# Altium PCB FlatSat.PcbDoc (part 6 of 12)
Units mil, origin at the board's own origin, x right, y up, seen from the top; angles counter-clockwise.
Board outline 4682 x 22047 mil, 4 copper layers (Top Layer, STR GND 1, STR GND 2, Bottom Layer), stack 33.434 mil thick; 381 components, 345 nets, 1605 pads, 1915 vias.
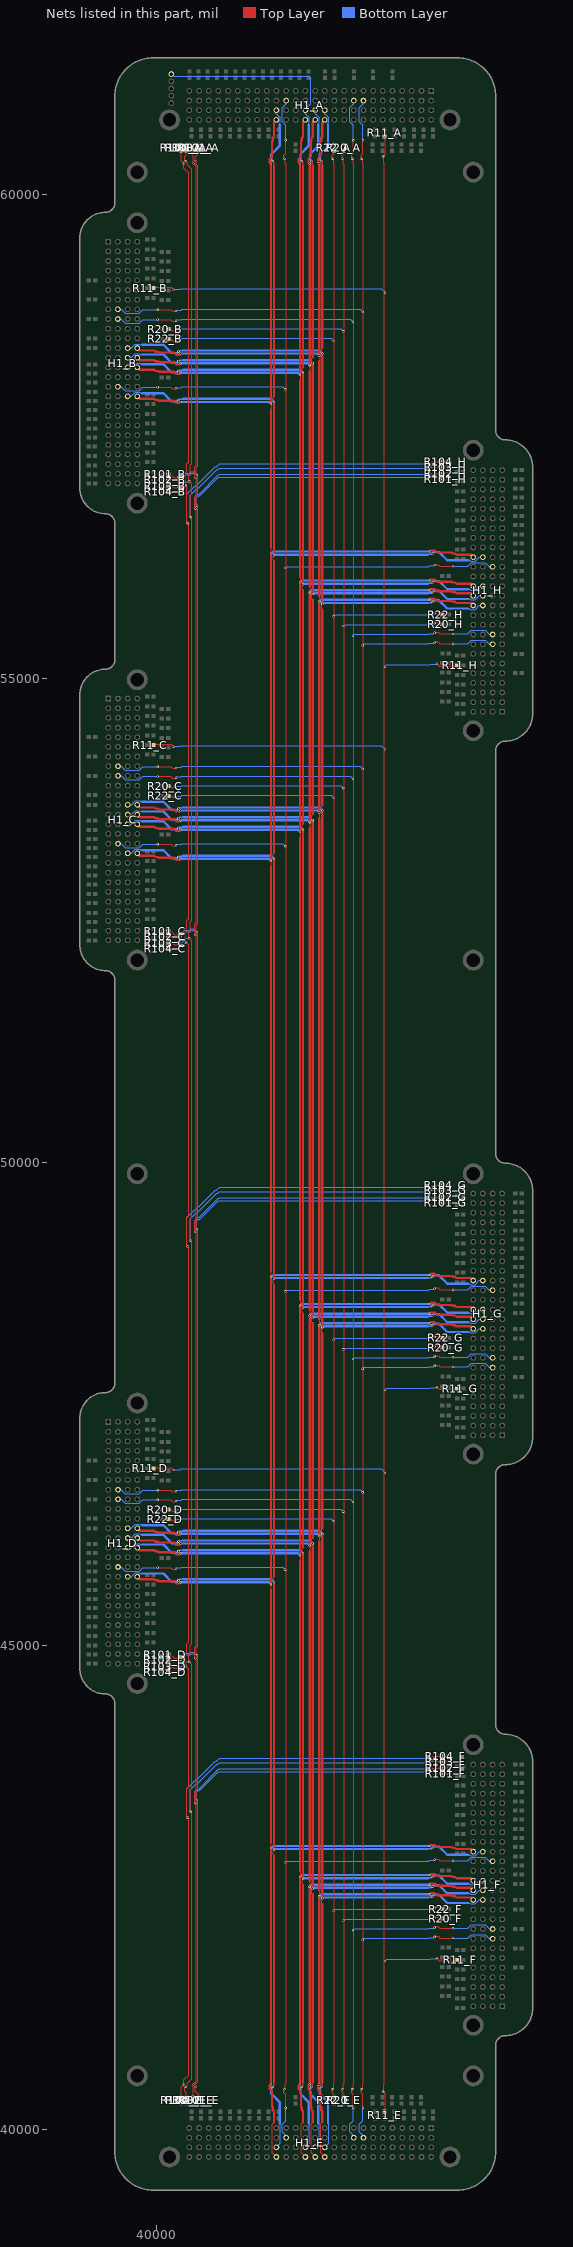
[diagram p8: the nets of this part, all layers, seen from the top]

## Components (designator, comment, footprint, x,y, rotation, side; value= is the part's Value field where it differs from the comment) (continued)
R103_F "CRCW06030000Z0EA" RESC1609X55X30ML10T20 42986,43801.33 r0 top (schematic designator R103)
R103_G "CRCW06030000Z0EA" RESC1609X55X30ML10T20 42986,49706.33 r0 top (schematic designator R103)
R103_H "CRCW06030000Z0EA" RESC1609X55X30ML10T20 42986,57186.33 r0 top (schematic designator R103)
R104_A "CRCW06030000Z0EA" RESC1609X55X30ML10T20 40251.67,60489 r270 top (schematic designator R104)
R104_B "CRCW06030000Z0EA" RESC1609X55X30ML10T20 40085,56931.67 r0 top (schematic designator R104)
R104_C "CRCW06030000Z0EA" RESC1609X55X30ML10T20 40085,52206.67 r0 top (schematic designator R104)
R104_D "CRCW06030000Z0EA" RESC1609X55X30ML10T20 40085,44726.67 r0 top (schematic designator R104)
R104_E "CRCW06030000Z0EA" RESC1609X55X30ML10T20 40251.67,40298 r90 top (schematic designator R104)
R104_F "CRCW06030000Z0EA" RESC1609X55X30ML10T20 42986,43856.33 r180 top (schematic designator R104)
R104_G "CRCW06030000Z0EA" RESC1609X55X30ML10T20 42986,49761.33 r180 top (schematic designator R104)
R104_H "CRCW06030000Z0EA" RESC1609X55X30ML10T20 42986,57241.33 r180 top (schematic designator R104)

## Footprints (in the part's own frame and the unit in brackets; to place one, negate y for a bottom-side part, rotate by r counter-clockwise, add the part's x,y. Pads: shape width x height; smd on the part's side, far side on the other; paste and mask are expansions set on the pad)
EPS [mm] "3rd gen 1U EPS from clydespace"
  round 5.5 hole 3.5: 0(9.017,90.805) 0(82.677,90.805)
  rect 1.5x1.5 hole 0.9: 1(13.97,83.185)
  round 1.5 hole 0.9: 2(13.97,85.725) 3(16.51,83.185) 4(16.51,85.725) 5(19.05,83.185) 6(19.05,85.725) 7(21.59,83.185) 8(21.59,85.725) 9(24.13,83.185) 10(24.13,85.725) 11(26.67,83.185) 12(26.67,85.725) 13(29.21,83.185) 14(29.21,85.725) 15(31.75,83.185) 16(31.75,85.725) 17(34.29,83.185) 18(34.29,85.725) 19(36.83,83.185) 20(36.83,85.725) 21(39.37,83.185) 22(39.37,85.725) 23(41.91,83.185) 24(41.91,85.725) 25(44.45,83.185) 26(44.45,85.725) 27(46.99,83.185) 28(46.99,85.725) 29(49.53,83.185) 30(49.53,85.725) 31(52.07,83.185) 32(52.07,85.725) 33(54.61,83.185) 34(54.61,85.725) 35(57.15,83.185) 36(57.15,85.725) 37(59.69,83.185) 38(59.69,85.725) 39(62.23,83.185) 40(62.23,85.725) 41(64.77,83.185) 42(64.77,85.725) 43(67.31,83.185) 44(67.31,85.725) 45(69.85,83.185) 46(69.85,85.725) 47(72.39,83.185) 48(72.39,85.725) 49(74.93,83.185) 50(74.93,85.725) 51(77.47,83.185) 52(77.47,85.725) 53(13.97,88.265) 54(13.97,90.805) 55(16.51,88.265) 56(16.51,90.805) 57(19.05,88.265) 58(19.05,90.805) 59(21.59,88.265) 60(21.59,90.805) 61(24.13,88.265) 62(24.13,90.805) 63(26.67,88.265) 64(26.67,90.805) 65(29.21,88.265) 66(29.21,90.805) 67(31.75,88.265) 68(31.75,90.805) 69(34.29,88.265) 70(34.29,90.805) 71(36.83,88.265) 72(36.83,90.805) 73(39.37,88.265) 74(39.37,90.805) 75(41.91,88.265) 76(41.91,90.805) 77(44.45,88.265) 78(44.45,90.805) 79(46.99,88.265) 80(46.99,90.805) 81(49.53,88.265) 82(49.53,90.805) 83(52.07,88.265) 84(52.07,90.805) 85(54.61,88.265) 86(54.61,90.805) 87(57.15,88.265) 88(57.15,90.805) 89(59.69,88.265) 90(59.69,90.805) 91(62.23,88.265) 92(62.23,90.805) 93(64.77,88.265) 94(64.77,90.805) 95(67.31,88.265) 96(67.31,90.805) 97(69.85,88.265) 98(69.85,90.805) 99(72.39,88.265) 100(72.39,90.805) 101(74.93,88.265) 102(74.93,90.805) 103(77.47,88.265) 104(77.47,90.805)
  silkscreen extent 12.37,81.91 79.07,92.08, body extent 12.47,82.02 79.02,91.92, height 11.05
RESC1609X55X30ML10T20 [mm] "Chip Resistor, 2-Leads, Body 1.60x0.85mm, IPC Low Density"
  rect 1.15x1.05 smd: 1(-0.825,0) 2(0.825,0)
  body extent -0.85,-0.48 0.85,0.48, height 0.55

## Part data
J40_A J40_B J40_C J40_D J40_F J40_G J40_H J42_A J42_B J42_C J42_D J42_F J42_G J42_H J44_A J44_B J44_C J44_D J44_F J44_G J44_H J45_A J45_B J45_C J45_D J45_F J45_G J45_H J46_A J46_B J46_C J46_D J46_F J46_G J46_H J48_A J48_B J48_C J48_D J48_F J48_G J48_H J50_A J50_B J50_C J50_D J50_F J50_G J50_H J52_A J52_B J52_C J52_D J52_F J52_G J52_H J61_A J61_B J61_C J61_D J61_F J61_G J61_H J66_A J66_B J66_C J66_D J66_F J66_G J66_H J69_A J69_B J69_C J69_D J69_F J69_G J69_H J71_A J71_B J71_C J71_D J71_F J71_G J71_H J74_A J74_B J74_C J74_D J74_F J74_G J74_H J81_A J81_B J81_C J81_D J81_F J81_G J81_H J82_A J82_B J82_C J82_D J82_F J82_G J82_H J83_A J83_B J83_C J83_D J83_F J83_G J83_H J84_A J84_B J84_C J84_D J84_F J84_G J84_H J99_A J99_B J99_C J99_D J99_F J99_G J99_H J100_A J100_B J100_C J100_D J100_F J100_G J100_H R1_A R1_B R1_C R1_D R1_E R1_F R1_G R1_H R3_A R3_B R3_C R3_D R3_E R3_F R3_G R3_H R4_A R4_B R4_C R4_D R4_E R4_F R4_G R4_H R5_A R5_B R5_C R5_D R5_E R5_F R5_G R5_H R6_A R6_B R6_C R6_D R6_E R6_F R6_G R6_H R7_A R7_B R7_C R7_D R7_E R7_F R7_G R7_H R8_A R8_B R8_C R8_D R8_E R8_F R8_G R8_H R9_A R9_B R9_C R9_D R9_E R9_F R9_G R9_H R10_A R10_B R10_C R10_D R10_E R10_F R10_G R10_H R11_A R11_B R11_C R11_D R11_E R11_F R11_G R11_H R12_A R12_B R12_C R12_D R12_E R12_F R12_G R12_H R13_A R13_B R13_C R13_D R13_E R13_F R13_G R13_H R14_A R14_B R14_C R14_D R14_E R14_F R14_G R14_H R20_A R20_B R20_C R20_D R20_E R20_F R20_G R20_H R22_A R22_B R22_C R22_D R22_E R22_F R22_G R22_H R30_A R30_B R30_C R30_D R30_E R30_F R30_G R30_H R33_A R33_B R33_C R33_D R33_E R33_F R33_G R33_H R35_A R35_B R35_C R35_D R35_E R35_F R35_G R35_H R37_A R37_B R37_C R37_D R37_E R37_F R37_G R37_H R39_A R39_B R39_C R39_D R39_E R39_F R39_G R39_H R41_A R41_B R41_C R41_D R41_E R41_F R41_G R41_H R43_A R43_B R43_C R43_D R43_E R43_F R43_G R43_H R45_A R45_B R45_C R45_D R45_E R45_F R45_G R45_H R47_A R47_B R47_C R47_D R47_E R47_F R47_G R47_H R49_A R49_B R49_C R49_D R49_E R49_F R49_G R49_H R51_A R51_B R51_C R51_D R51_E R51_F R51_G R51_H R101_A R101_B R101_C R101_D R101_E R101_F R101_G R101_H R102_A R102_B R102_C R102_D R102_E R102_F R102_G R102_H R103_A R103_B R103_C R103_D R103_E R103_F R103_G R103_H R104_A R104_B R104_C R104_D R104_E R104_F R104_G R104_H: library part CMP-2000-03816-1

## Free pads (board coordinates)
  round 216.54 hole 137.8: 7(39798,40551) 7(39798,49880) 7(39798,60236) 7(43272,40551) 7(43272,60236) 7(43273,52088)
  round 59 hole 35.43: 8(40150,61025) 9(40150,61100) 10(40150,61175) 11(40150,60950) 12(40150,61250)

## Via types
v1: diameter 24, hole 8, Top Layer to Bottom Layer, 1915 vias

## Nets (pads, with @x,y where several pads share a name; then routed paths per layer and width w, separated by ;. In a path a pad name is that pad's centre, name@x,y a point inside that pad or via, vN(x,y) a via of type N, cw(c..) or ccw(c..) an arc to the next point about the centre after c; other vN are vias at no path point)
2SMARDSENS_A: H1_A.16 H1_B.16 H1_C.16 H1_D.16 H1_E.16 H1_F.16 H1_G.16 H1_H.16 | length 33119.6
  Top Layer w8: v1(40009,46607) 40146,46607 40163,46590 40193,46590 v1(40198,46595) ; v1(40009,54087) 40146,54087 40163,54070 40193,54070 v1(40198,54075) ; v1(40009,58812) 40146,58812 40163,58795 40193,58795 v1(40198,58800) ; v1(42132,40222) 42132,40359 42115,40376 42115,40406 v1(42120,40411) 42129,40420 42129,40465.41 42136,40472.41 42136,60314.59 42129,60321.59 42129,60367 v1(42120,60376) 42115,60381 42115,60411 42132,60428 v1(42132,60565) ; v1(42873,41988) 42878,41993 42908,41993 42925,41976 v1(43062,41976) ; v1(42873,47893) 42878,47898 42908,47898 42925,47881 v1(43062,47881) ; v1(42873,55373) 42878,55378 42908,55378 42925,55361 v1(43062,55361)
  Bottom Layer w8: H1_D.16@39598,46612 39631,46612 39672.47,46570.53 39818.53,46570.53 39855,46607 v1(40009,46607) ; H1_C.16@39598,54092 39631,54092 39672.47,54050.53 39818.53,54050.53 39855,54087 v1(40009,54087) ; H1_B.16@39598,58817 39631,58817 39673,58775 39818,58775 39855,58812 v1(40009,58812) ; v1(40198,46595) 40207,46604 40252.41,46604 40259.41,46611 42102,46611 v1(42128,46585) ; v1(40198,54075) 40207,54084 40252.41,54084 40259.41,54091 42102,54091 v1(42128,54065) ; v1(40198,58800) 40207,58809 40252.41,58809 40259.41,58816 42102,58816 v1(42128,58790) ; v1(42129,41959) 42142,41972 42811.59,41972 42818.59,41979 42864,41979 v1(42873,41988) ; v1(42129,47864) 42142,47877 42811.59,47877 42818.59,47884 42864,47884 v1(42873,47893) ; v1(42129,55344) 42142,55357 42811.59,55357 42818.59,55364 42864,55364 v1(42873,55373) ; v1(42132,40222) 42132,40089 42095.47,40052.47 42095.47,39972.53 42137,39931 H1_E.16@42137,39912 ; v1(42132,60565) 42132,60719 42095,60756 42095,60901 42137,60943 H1_A.16@42137,60976 ; v1(43062,41976) 43216,41976 43252.47,42012.47 43398.53,42012.47 43440,41971 H1_F.16@43473,41971 ; v1(43062,47881) 43216,47881 43252.47,47917.47 43398.53,47917.47 43440,47876 H1_G.16@43473,47876 ; v1(43062,55361) 43216,55361 43252.47,55397.47 43398.53,55397.47 43440,55356 H1_H.16@43473,55356
2SMARDSENS_B: H1_A.18 H1_B.18 H1_C.18 H1_D.18 H1_E.18 H1_F.18 H1_G.18 H1_H.18 | length 33080.2
  Top Layer w8: v1(40009,46507) 40146,46507 40163,46490 v1@40193,46490 ; v1(40009,53987) 40146,53987 40163,53970 v1@40193,53970 ; v1(40009,58712) 40146,58712 40163,58695 v1@40193,58695 ; v1(42032,40222) 42032,40359 42015,40376 42015,40406 v1(42020,40411) 42029,40420 42029,40465.41 42036,40472.41 42036,60314.59 42029,60321.59 42029,60367 v1(42020,60376) 42015,60381 42015,60411 42032,60428 v1(42032,60565) ; v1@42878,42093 42908,42093 42925,42076 v1(43062,42076) ; v1@42878,47998 42908,47998 42925,47981 v1(43062,47981) ; v1@42878,55478 42908,55478 42925,55461 v1(43062,55461)
  Bottom Layer w8: H1_D.18@39598,46512 39631,46512 39672.47,46470.53 39818.53,46470.53 39855,46507 v1(40009,46507) ; H1_C.18@39598,53992 39631,53992 39672.47,53950.53 39818.53,53950.53 39855,53987 v1(40009,53987) ; H1_B.18@39598,58717 39631,58717 39673,58675 39818,58675 39855,58712 v1(40009,58712) ; v1(40198,46495) 40207,46504 40252.41,46504 40259.41,46511 42002,46511 v1(42028,46485) ; v1(40198,53975) 40207,53984 40252.41,53984 40259.41,53991 42002,53991 v1(42028,53965) ; v1(40198,58700) 40207,58709 40252.41,58709 40259.41,58716 42002,58716 v1(42028,58690) ; v1@42028,42059 42041,42072 42811.59,42072 42818.59,42079 42864,42079 v1(42873,42088) ; v1@42028,47964 42041,47977 42811.59,47977 42818.59,47984 42864,47984 v1(42873,47993) ; v1@42028,55444 42041,55457 42811.59,55457 42818.59,55464 42864,55464 v1(42873,55473) ; v1(42032,40222) 42032,40089 41995.47,40052.47 41995.47,39972.53 42037,39931 H1_E.18@42037,39912 ; v1(42032,60565) 42032,60719 41995,60756 41995,60901 42037,60943 H1_A.18@42037,60976 ; v1(43062,42076) 43216,42076 43252.47,42112.47 43398.53,42112.47 43440,42071 H1_F.18@43473,42071 ; v1(43062,47981) 43216,47981 43252.47,48017.47 43398.53,48017.47 43440,47976 H1_G.18@43473,47976 ; v1(43062,55461) 43216,55461 43252.47,55497.47 43398.53,55497.47 43440,55456 H1_H.18@43473,55456
  other v1: 42028,42058 42028,47963 42028,55443
3V3_BUS_1: H1_A.79 H1_B.79 H1_C.79 H1_D.79 H1_E.79 H1_F.79 H1_G.79 H1_H.79 pad.12 | length 34504.9
  Top Layer w8: 41512,42528 41504,42536 41504,42580 v1(41512,42588) ; v1(41512,45955) 41504,45963 41504,46007 41512,46015 ; 41512,48433 41504,48441 41504,48485 v1(41512,48493) ; v1(41512,53435) 41504,53443 41504,53487 41512,53495 ; 41512,55913 41504,55921 41504,55965 v1(41512,55973) ; v1(41512,58160) 41504,58168 41504,58212 41512,58220
  Top Layer w16: v1(41500,40436) 41509,40445 41509,40475 41512,40478 41512,40483 ; v1(41500,60351) 41509,60342 41509,60312 41512,60309 41512,60304
  Top Layer w24: 41512,40483 41512,42528 ; v1(41512,42588) v1(41512,45955) ; 41512,46015 41512,48433 ; v1(41512,48493) v1(41512,53435) ; 41512,53495 41512,55913 ; v1(41512,55973) v1(41512,58160) ; 41512,58220 41512,60304
  Bottom Layer w8: H1_D.79@39698,46012 39735,46012 39777.53,46054.53 39823.47,46054.53 39833,46045 39848,46045 ; H1_C.79@39698,53492 39735,53492 39777.53,53534.53 39823.47,53534.53 39833,53525 39848,53525 ; H1_B.79@39698,58217 39735,58217 39776.53,58258.53 39824.47,58258.53 39833,58250 39848,58250 ; pad.12@40150,61250 40175,61225 41575,61225 41593,61207 41593,60943 41537,60887 H1_A.79@41537,60876 41537,60839 41578.53,60797.47 41578.53,60749.53 41570,60741 41570,60726 ; H1_E.79@41537,39812 41578.53,39853.53 41578.53,40052.47 41570,40061 ; 43223,42538 43238,42538 43247.53,42528.47 43293.47,42528.47 43336,42571 H1_F.79@43373,42571 ; 43223,48443 43238,48443 43247.53,48433.47 43293.47,48433.47 43336,48476 H1_G.79@43373,48476 ; 43223,55923 43238,55923 43247.53,55913.47 43293.47,55913.47 43336,55956 H1_H.79@43373,55956
  Bottom Layer w16: v1(40223,45975) 40232,45984 40262,45984 ; v1(40223,53455) 40232,53464 40262,53464 ; v1(40223,58180) 40232,58189 40262,58189 ; 40265,45987 40270,45987 ; 40265,53467 40270,53467 ; 40265,58192 40270,58192 ; 42801,42596 42806,42596 ; 42801,48501 42806,48501 ; 42801,55981 42806,55981 ; 42809,42599 42839,42599 v1(42848,42608) ; 42809,48504 42839,48504 v1(42848,48513) ; 42809,55984 42839,55984 v1(42848,55993)
  Bottom Layer w22: 40208,45960 v1(40223,45975) ; 40208,53440 v1(40223,53455) ; 40208,58165 v1(40223,58180) ; 41485,40421 v1(41500,40436) ; 41485,60366 v1(41500,60351) ; v1(42848,42608) 42863,42623 ; v1(42848,48513) 42863,48528 ; v1(42848,55993) 42863,56008
  Bottom Layer w24: 39848,46045 40068,46045 40153,45960 40208,45960 ; 39848,53525 40068,53525 40153,53440 40208,53440 ; 39848,58250 40068,58250 40153,58165 40208,58165 ; 40270,45987 41480,45987 v1@41511,45956 ; 40270,53467 41480,53467 v1@41511,53436 ; 40270,58192 41480,58192 v1@41511,58161 ; 41485,40421 41485,40366 41570,40281 41570,40061 ; 41485,60366 41485,60421 41570,60506 41570,60726 ; v1(41512,42588) 41520,42596 42801,42596 ; v1(41512,48493) 41520,48501 42801,48501 ; v1(41512,55973) 41520,55981 42801,55981 ; 42863,42623 42918,42623 43003,42538 43223,42538 ; 42863,48528 42918,48528 43003,48443 43223,48443 ; 42863,56008 42918,56008 43003,55923 43223,55923
3V3_BUS_2: H1_A.80 H1_B.80 H1_C.80 H1_D.80 H1_E.80 H1_F.80 H1_G.80 H1_H.80 | length 31852.9
  Top Layer w8: 41480,58080 41488,58088 41488,58132 v1(41480,58140) ; 41512,40069 41495.47,40052.47 41495.47,39753.53 H1_E.80@41537,39712
  Top Layer w12: v1(41480,42608) 41486,42614 41486,42662 41480,42668 ; 41480,45875 41486,45881 41486,45929 v1(41480,45935) ; v1(41480,48513) 41486,48519 41486,48567 41480,48573 ; 41480,53355 41486,53361 41486,53409 v1(41480,53415) ; v1(41480,55993) 41486,55999 41486,56047 41480,56053
  Top Layer w22: 40177,45966 40200,45943 40236.25,45943 v1@40248.13,45954.87 ; 40177,53446 40200,53423 40236.25,53423 v1@40248.13,53434.87 ; 40177,58171 40200,58148 40236.25,58148 v1@40248.13,58159.87 ; v1@41479.87,40461.13 41468,40449.25 41468,40413 41491,40390 ; v1@41479.87,60325.87 41468,60337.75 41468,60374 41491,60397 ; v1@42822.87,42628.13 42834.75,42640 42871,42640 42894,42617 ; v1@42822.87,48533.13 42834.75,48545 42871,48545 42894,48522 ; v1@42822.87,56013.13 42834.75,56025 42871,56025 42894,56002
  Top Layer w24: H1_D.80@39798,46012 39823,45987 39972,45987 39984,45975 40012.6,45975 40021.6,45966 40177,45966 ; H1_C.80@39798,53492 39823,53467 39972,53467 39984,53455 40012.6,53455 40021.6,53446 40177,53446 ; H1_B.80@39798,58217 39823,58192 39972,58192 39984,58180 40012.6,58180 40021.6,58171 40177,58171 ; v1(41480,40461) v1(41480,42608) ; 41480,42668 41480,45875 ; v1(41480,45935) v1(41480,48513) ; 41480,48573 41480,53355 ; v1(41480,53415) v1(41480,55993) ; 41480,56053 41480,58080 ; v1(41480,58140) v1(41480,60326) ; 41491,40390 41491,40234.6 41500,40225.6 41500,40197 41512,40185 41512,40069 ; 41491,60397 41491,60552.4 41500,60561.4 41500,60590 41512,60602 41512,60751 H1_A.80@41537,60776 ; 42894,42617 43049.4,42617 43058.4,42608 43087,42608 43099,42596 43248,42596 H1_F.80@43273,42571 ; 42894,48522 43049.4,48522 43058.4,48513 43087,48513 43099,48501 43248,48501 H1_G.80@43273,48476 ; 42894,56002 43049.4,56002 43058.4,55993 43087,55993 43099,55981 43248,55981 H1_H.80@43273,55956
  Bottom Layer w24: v1(40248,45955) 41460,45955 v1(41480,45935) ; v1(40248,53435) 41460,53435 v1(41480,53415) ; v1(40248,58160) 41460,58160 v1(41480,58140) ; v1(41480,42608) 41500,42628 v1(42823,42628) ; v1(41480,48513) 41500,48533 v1(42823,48533) ; v1(41480,55993) 41500,56013 v1(42823,56013)
5V_BUS_1: H1_A.77 H1_B.77 H1_C.77 H1_D.77 H1_E.77 H1_F.77 H1_G.77 H1_H.77 | length 32694.2
  Top Layer w8: 41612,42428 41604,42436 41604,42480 v1(41612,42488) ; v1(41612,46055) 41604,46063 41604,46107 41612,46115 ; 41612,48333 41604,48341 41604,48385 v1(41612,48393) ; v1(41612,53535) 41604,53543 41604,53587 41612,53595 ; 41612,55813 41604,55821 41604,55865 v1(41612,55873) ; v1(41612,58260) 41604,58268 41604,58312 41612,58320
  Top Layer w16: v1(41600,40436) 41609,40445 41609,40475 41612,40478 41612,40483 ; v1(41600,60351) 41609,60342 41609,60312 41612,60309 41612,60304
  Top Layer w24: 41612,40483 41612,42428 ; v1(41612,42488) v1(41612,46055) ; 41612,46115 41612,48333 ; v1(41612,48393) v1(41612,53535) ; 41612,53595 41612,55813 ; v1(41612,55873) v1(41612,58260) ; 41612,58320 41612,60304
  Bottom Layer w8: H1_D.77@39698,46112 39735,46112 39777.53,46154.53 39823.47,46154.53 39833,46145 39848,46145 ; H1_C.77@39698,53592 39735,53592 39777.53,53634.53 39823.47,53634.53 39833,53625 39848,53625 ; H1_B.77@39698,58317 39735,58317 39776.53,58358.53 39824.47,58358.53 39833,58350 39848,58350 ; H1_E.77@41637,39812 41678.53,39853.53 41678.53,40052.47 41670,40061 ; H1_A.77@41637,60876 41637,60839 41678.53,60797.47 41678.53,60749.53 41670,60741 41670,60726 ; 43223,42438 43238,42438 43247.53,42428.47 43293.47,42428.47 43336,42471 H1_F.77@43373,42471 ; 43223,48343 43238,48343 43247.53,48333.47 43293.47,48333.47 43336,48376 H1_G.77@43373,48376 ; 43223,55823 43238,55823 43247.53,55813.47 43293.47,55813.47 43336,55856 H1_H.77@43373,55856
  Bottom Layer w16: v1(40223,46075) 40232,46084 40262,46084 ; v1(40223,53555) 40232,53564 40262,53564 ; v1(40223,58280) 40232,58289 40262,58289 ; 40265,46087 40270,46087 ; 40265,53567 40270,53567 ; 40265,58292 40270,58292 ; 42801,42496 42806,42496 ; 42801,48401 42806,48401 ; 42801,55881 42806,55881 ; 42809,42499 42839,42499 v1(42848,42508) ; 42809,48404 42839,48404 v1(42848,48413) ; 42809,55884 42839,55884 v1(42848,55893)
  Bottom Layer w22: 40208,46060 v1(40223,46075) ; 40208,53540 v1(40223,53555) ; 40208,58265 v1(40223,58280) ; 41585,40421 v1(41600,40436) ; 41585,60366 v1(41600,60351) ; v1(42848,42508) 42863,42523 ; v1(42848,48413) 42863,48428 ; v1(42848,55893) 42863,55908
  Bottom Layer w24: 39848,46145 40068,46145 40153,46060 40208,46060 ; 39848,53625 40068,53625 40153,53540 40208,53540 ; 39848,58350 40068,58350 40153,58265 40208,58265 ; 40270,46087 41580,46087 v1(41612,46055) ; 40270,53567 41580,53567 v1(41612,53535) ; 40270,58292 41580,58292 v1(41612,58260) ; 41585,40421 41585,40366 41670,40281 41670,40061 ; 41585,60366 41585,60421 41670,60506 41670,60726 ; v1(41612,42488) 41620,42496 42801,42496 ; v1(41612,48393) 41620,48401 42801,48401 ; v1(41612,55873) 41620,55881 42801,55881 ; 42863,42523 42918,42523 43003,42438 43223,42438 ; 42863,48428 42918,48428 43003,48343 43223,48343 ; 42863,55908 42918,55908 43003,55823 43223,55823
5V_BUS_2: H1_A.78 H1_B.78 H1_C.78 H1_D.78 H1_E.78 H1_F.78 H1_G.78 H1_H.78 | length 31852.9
  Top Layer w8: 41580,58180 41588,58188 41588,58232 v1(41580,58240) ; 41612,40069 41595.47,40052.47 41595.47,39753.53 H1_E.78@41637,39712
  Top Layer w12: v1(41580,42508) 41586,42514 41586,42562 41580,42568 ; 41580,45975 41586,45981 41586,46029 v1(41580,46035) ; v1(41580,48413) 41586,48419 41586,48467 41580,48473 ; 41580,53455 41586,53461 41586,53509 v1(41580,53515) ; v1(41580,55893) 41586,55899 41586,55947 41580,55953
  Top Layer w22: 40177,46066 40200,46043 40236.25,46043 v1@40248.13,46054.87 ; 40177,53546 40200,53523 40236.25,53523 v1@40248.13,53534.87 ; 40177,58271 40200,58248 40236.25,58248 v1@40248.13,58259.87 ; v1@41579.87,40461.13 41568,40449.25 41568,40413 41591,40390 ; v1@41579.87,60325.87 41568,60337.75 41568,60374 41591,60397 ; v1@42822.87,42528.13 42834.75,42540 42871,42540 42894,42517 ; v1@42822.87,48433.13 42834.75,48445 42871,48445 42894,48422 ; v1@42822.87,55913.13 42834.75,55925 42871,55925 42894,55902
  Top Layer w24: H1_D.78@39798,46112 39823,46087 39972,46087 39984,46075 40012.6,46075 40021.6,46066 40177,46066 ; H1_C.78@39798,53592 39823,53567 39972,53567 39984,53555 40012.6,53555 40021.6,53546 40177,53546 ; H1_B.78@39798,58317 39823,58292 39972,58292 39984,58280 40012.6,58280 40021.6,58271 40177,58271 ; v1(41580,40461) v1(41580,42508) ; 41580,42568 41580,45975 ; v1(41580,46035) v1(41580,48413) ; 41580,48473 41580,53455 ; v1(41580,53515) v1(41580,55893) ; 41580,55953 41580,58180 ; v1(41580,58240) v1(41580,60326) ; 41591,40390 41591,40234.6 41600,40225.6 41600,40197 41612,40185 41612,40069 ; 41591,60397 41591,60552.4 41600,60561.4 41600,60590 41612,60602 41612,60751 H1_A.78@41637,60776 ; 42894,42517 43049.4,42517 43058.4,42508 43087,42508 43099,42496 43248,42496 H1_F.78@43273,42471 ; 42894,48422 43049.4,48422 43058.4,48413 43087,48413 43099,48401 43248,48401 H1_G.78@43273,48376 ; 42894,55902 43049.4,55902 43058.4,55893 43087,55893 43099,55881 43248,55881 H1_H.78@43273,55856
  Bottom Layer w24: v1(40248,46055) 41560,46055 v1(41580,46035) ; v1(40248,53535) 41560,53535 v1(41580,53515) ; v1(40248,58260) 41560,58260 v1(41580,58240) ; v1(41580,42508) 41600,42528 v1(42823,42528) ; v1(41580,48413) 41600,48433 v1(42823,48433) ; v1(41580,55893) 41600,55913 v1(42823,55913)
5V_USB_CHG: H1_A.32 H1_B.32 H1_C.32 H1_D.32 H1_E.32 H1_F.32 H1_G.32 H1_H.32 | length 33123.8
  Top Layer w8: v1(40009,45807) 40146,45807 40163,45790 40193,45790 v1(40198,45795) ; v1(40009,53287) 40146,53287 40163,53270 40193,53270 v1(40198,53275) ; v1(40009,58012) 40146,58012 40163,57995 40193,57995 v1(40198,58000) ; v1(41332,40222) 41332,40359 41315,40376 41315,40406 v1(41320,40411) 41329,40420 41329,40465.41 41336,40472.41 41336,60314.59 41329,60321.59 41329,60367 v1(41320,60376) 41315,60381 41315,60411 41332,60428 v1(41332,60565) ; v1(42873,42788) 42878,42793 42908,42793 42925,42776 v1(43062,42776) ; v1(42873,48693) 42878,48698 42908,48698 42925,48681 v1(43062,48681) ; v1(42873,56173) 42878,56178 42908,56178 42925,56161 v1(43062,56161)
  Bottom Layer w8: H1_D.32@39598,45812 39631,45812 39672.47,45770.53 39818.53,45770.53 39855,45807 v1(40009,45807) ; H1_C.32@39598,53292 39631,53292 39672.47,53250.53 39818.53,53250.53 39855,53287 v1(40009,53287) ; H1_B.32@39598,58017 39631,58017 39673,57975 39818,57975 39855,58012 v1(40009,58012) ; v1(40198,45795) 40207,45804 40252.41,45804 40259.41,45811 41302,45811 v1(41328,45785) ; v1(40198,53275) 40207,53284 40252.41,53284 40259.41,53291 41302,53291 v1(41328,53265) ; v1(40198,58000) 40207,58009 40252.41,58009 40259.41,58016 41302,58016 v1(41328,57990) ; v1(41328,42758) 41342,42772 42811.59,42772 42818.59,42779 42864,42779 v1(42873,42788) ; v1(41328,48663) 41342,48677 42811.59,48677 42818.59,48684 42864,48684 v1(42873,48693) ; v1(41328,56143) 41342,56157 42811.59,56157 42818.59,56164 42864,56164 v1(42873,56173) ; v1(41332,40222) 41332,40089 41295.47,40052.47 41295.47,39972.53 41337,39931 H1_E.32@41337,39912 ; v1(41332,60565) 41332,60719 41295,60756 41295,60901 41337,60943 H1_A.32@41337,60976 ; v1(43062,42776) 43216,42776 43252.47,42812.47 43398.53,42812.47 43440,42771 H1_F.32@43473,42771 ; v1(43062,48681) 43216,48681 43252.47,48717.47 43398.53,48717.47 43440,48676 H1_G.32@43473,48676 ; v1(43062,56161) 43216,56161 43252.47,56197.47 43398.53,56197.47 43440,56156 H1_H.32@43473,56156
12V_BUS_1: H1_A.75 H1_B.75 H1_C.75 H1_D.75 H1_E.75 H1_F.75 H1_G.75 H1_H.75 | length 32694.2
  Top Layer w8: 41712,42328 41704,42336 41704,42380 v1(41712,42388) ; v1(41712,46155) 41704,46163 41704,46207 41712,46215 ; 41712,48233 41704,48241 41704,48285 v1(41712,48293) ; v1(41712,53635) 41704,53643 41704,53687 41712,53695 ; 41712,55713 41704,55721 41704,55765 v1(41712,55773) ; v1(41712,58360) 41704,58368 41704,58412 41712,58420
  Top Layer w16: v1(41700,40436) 41709,40445 41709,40475 41712,40478 41712,40486 ; v1(41700,60351) 41709,60342 41709,60312 41712,60309 41712,60304
  Top Layer w24: 41712,40486 41712,42328 ; v1(41712,42388) v1(41712,46155) ; 41712,46215 41712,48233 ; v1(41712,48293) v1(41712,53635) ; 41712,53695 41712,55713 ; v1(41712,55773) v1(41712,58360) ; 41712,58420 41712,60304
  Bottom Layer w8: H1_D.75@39698,46212 39735,46212 39777.53,46254.53 39823.47,46254.53 39833,46245 39848,46245 ; H1_C.75@39698,53692 39735,53692 39777.53,53734.53 39823.47,53734.53 39833,53725 39848,53725 ; H1_B.75@39698,58417 39735,58417 39776.53,58458.53 39824.47,58458.53 39833,58450 39848,58450 ; H1_E.75@41737,39812 41778.53,39853.53 41778.53,40052.47 41770,40061 ; H1_A.75@41737,60876 41737,60839 41778.53,60797.47 41778.53,60749.53 41770,60741 41770,60726 ; 43223,42338 43238,42338 43247.53,42328.47 43293.47,42328.47 43336,42371 H1_F.75@43373,42371 ; 43223,48243 43238,48243 43247.53,48233.47 43293.47,48233.47 43336,48276 H1_G.75@43373,48276 ; 43223,55723 43238,55723 43247.53,55713.47 43293.47,55713.47 43336,55756 H1_H.75@43373,55756
  Bottom Layer w16: v1(40223,46175) 40232,46184 40262,46184 ; v1(40223,53655) 40232,53664 40262,53664 ; v1(40223,58380) 40232,58389 40262,58389 ; 40265,46187 40270,46187 ; 40265,53667 40270,53667 ; 40265,58392 40270,58392 ; 42801,42396 42806,42396 ; 42801,48301 42806,48301 ; 42801,55781 42806,55781 ; 42809,42399 42839,42399 v1(42848,42408) ; 42809,48304 42839,48304 v1(42848,48313) ; 42809,55784 42839,55784 v1(42848,55793)
  Bottom Layer w22: 40208,46160 v1(40223,46175) ; 40208,53640 v1(40223,53655) ; 40208,58365 v1(40223,58380) ; 41685,40421 v1(41700,40436) ; 41685,60366 v1(41700,60351) ; v1(42848,42408) 42863,42423 ; v1(42848,48313) 42863,48328 ; v1(42848,55793) 42863,55808
  Bottom Layer w24: 39848,46245 40068,46245 40153,46160 40208,46160 ; 39848,53725 40068,53725 40153,53640 40208,53640 ; 39848,58450 40068,58450 40153,58365 40208,58365 ; 40270,46187 41680,46187 v1(41712,46155) ; 40270,53667 41680,53667 v1(41712,53635) ; 40270,58392 41680,58392 v1(41712,58360) ; 41685,40421 41685,40366 41770,40281 41770,40061 ; 41685,60366 41685,60421 41770,60506 41770,60726 ; v1(41712,42388) 41720,42396 42801,42396 ; v1(41712,48293) 41720,48301 42801,48301 ; v1(41712,55773) 41720,55781 42801,55781 ; 42863,42423 42918,42423 43003,42338 43223,42338 ; 42863,48328 42918,48328 43003,48243 43223,48243 ; 42863,55808 42918,55808 43003,55723 43223,55723
12V_BUS_2: H1_A.76 H1_B.76 H1_C.76 H1_D.76 H1_E.76 H1_F.76 H1_G.76 H1_H.76 | length 31851.9
  Top Layer w8: 41680,58280 41688,58288 41688,58332 v1(41680,58340) ; 41712,40069 41695.47,40052.47 41695.47,39753.53 H1_E.76@41737,39712
  Top Layer w12: v1@41680,42407 41686,42413 41686,42462 41680,42468 ; 41680,46075 41686,46081 41686,46129 v1(41680,46135) ; v1@41680,48312 41686,48318 41686,48367 41680,48373 ; 41680,53555 41686,53561 41686,53609 v1(41680,53615) ; v1@41680,55792 41686,55798 41686,55847 41680,55853
  Top Layer w22: 40177,46166 40200,46143 40236.25,46143 v1@40248.13,46154.87 ; 40177,53646 40200,53623 40236.25,53623 v1@40248.13,53634.87 ; 40177,58371 40200,58348 40236.25,58348 v1@40248.13,58359.87 ; v1@41679.87,40461.13 41668,40449.25 41668,40413 41691,40390 ; v1@41679.87,60325.87 41668,60337.75 41668,60374 41691,60397 ; v1@42822.87,42428.13 42834.75,42440 42871,42440 42894,42417 ; v1@42822.87,48333.13 42834.75,48345 42871,48345 42894,48322 ; v1@42822.87,55813.13 42834.75,55825 42871,55825 42894,55802
  Top Layer w24: H1_D.76@39798,46212 39823,46187 39972,46187 39984,46175 40012.6,46175 40021.6,46166 40177,46166 ; H1_C.76@39798,53692 39823,53667 39972,53667 39984,53655 40012.6,53655 40021.6,53646 40177,53646 ; H1_B.76@39798,58417 39823,58392 39972,58392 39984,58380 40012.6,58380 40021.6,58371 40177,58371 ; v1(41680,40461) v1@41680,42407 ; 41680,42468 41680,46075 ; v1(41680,46135) v1@41680,48312 ; 41680,48373 41680,53554 ; v1(41680,53615) v1@41680,55792 ; 41680,55853 41680,58280 ; v1(41680,58340) v1(41680,60326) ; 41691,40390 41691,40234.6 41700,40225.6 41700,40197 41712,40185 41712,40069 ; 41691,60397 41691,60552.4 41700,60561.4 41700,60590 41712,60602 41712,60751 H1_A.76@41737,60776 ; 42894,42417 43049.4,42417 43058.4,42408 43087,42408 43099,42396 43248,42396 H1_F.76@43273,42371 ; 42894,48322 43049.4,48322 43058.4,48313 43087,48313 43099,48301 43248,48301 H1_G.76@43273,48276 ; 42894,55802 43049.4,55802 43058.4,55793 43087,55793 43099,55781 43248,55781 H1_H.76@43273,55756
  Bottom Layer w24: v1(40248,46155) 41660,46155 v1(41680,46135) ; v1(40248,53635) 41660,53635 v1(41680,53615) ; v1(40248,58360) 41660,58360 v1(41680,58340) ; v1(41680,42408) 41700,42428 v1(42823,42428) ; v1(41680,48313) 41700,48333 v1(42823,48333) ; v1(41680,55793) 41700,55813 v1(42823,55813)
ADCS_CS: R102_A.1 R102_B.1 R102_C.1 R102_D.1 R102_E.1 R102_F.1 R102_G.1 R102_H.1 | length 29612.5
  Top Layer w8: R102_D.1@40117.48,44851.67 40117.48,44851 40244,44851 v1(40248,44855) ; R102_C.1@40117.48,52331.67 40117.48,52331 40244,52331 v1(40248,52335) ; R102_B.1@40117.48,57056.67 40117.48,57056 40244,57056 v1(40248,57060) ; R102_E.1@40376.67,40330.48 40376,40330.48 40376,40457 v1(40380,40461) 40380,40468.63 40408,40496.63 40408,43371 v1(40400,43371) ; R102_A.1@40376.67,60456.52 40376,60456.52 40376,60330 v1(40380,60326) 40392,60314 40392,60313.34 40408,60297.34 40408,57203.2 40392,57187.2 v1@40392,57080 ; v1@40392,43371 40392,43489.25 40408,43505.25 40408,44869 v1(40400,44869) 40392,44869 40392,44982.91 40408,44998.91 40408,49276 v1(40400,49276) ; v1@40392,49276 40392,49394.25 40408,49410.25 40408,52349 v1(40400,52349) 40392,52349 40392,52462.91 40408,52478.91 40408,56756 v1(40400,56756) ; v1@40392,56756 40392,56874.25 40408,56890.25 40408,57067 v1@40399,57076 ; v1@40400,57072 v1(40400,57074) ; v1(42823,43728) 42827,43732 42953.52,43732 R102_F.1@42953.52,43731.33 ; v1(42823,49633) 42827,49637 42953.52,49637 R102_G.1@42953.52,49636.33 ; v1(42823,57113) 42827,57117 42953.52,57117 R102_H.1@42953.52,57116.33
  Bottom Layer w8: v1(40248,44855) 40274,44881 40275.82,44881 40297.82,44903 40344.06,44903 40358.06,44917 40377.94,44917 40392,44902.94 v1@40392,44875 ; v1(40248,52335) 40274,52361 40275.82,52361 40297.82,52383 40344.06,52383 40358.06,52397 40377.94,52397 40392,52382.94 v1@40392,52355 ; v1(40248,57060) 40274,57086 40275.82,57086 40297.82,57108 40344.06,57108 40358.06,57122 40377.94,57122 40392,57107.94 v1@40392,57080 ; v1@40397,43371 40398.75,43372.75 40398.75,43382.3 40392,43389.06 40392,43488.49 40425.51,43522 40436.51,43522 40636.51,43722 40647.45,43722 40653.45,43728 v1(42823,43728) ; v1@40397,49276 40398.75,49277.75 40398.75,49287.3 40392,49294.06 40392,49393.49 40425.51,49427 40436.51,49427 40636.51,49627 40647.45,49627 40653.45,49633 v1(42823,49633) ; v1@40397,56756 40398.75,56757.75 40398.75,56767.3 40392,56774.06 40392,56873.49 40425.51,56907 40436.51,56907 40636.51,57107 40647.45,57107 40653.45,57113 v1(42823,57113)
ADCS_MISO: R101_A.2 R101_B.2 R101_C.2 R101_D.2 R101_E.2 R101_F.2 R101_G.2 R101_H.2 | length 29630.2
  Top Layer w8: R101_D.2@40102.15,44906.67 R101_D.2@40108.15,44900.67 ; R101_C.2@40102.15,52386.67 R101_C.2@40108.15,52380.67 ; R101_B.2@40102.15,57111.67 R101_B.2@40108.15,57105.67 ; R101_D.2@40117.48,44906.67 40141.33,44906.67 40178,44870 40218,44870 v1(40223,44875) ; R101_C.2@40117.48,52386.67 40141.33,52386.67 40178,52350 40218,52350 v1(40223,52355) ; R101_B.2@40117.48,57111.67 40141.33,57111.67 40178,57075 40218,57075 v1(40223,57080) ; v1@40408,43401 40408,43482.63 40424,43498.63 40424,44899 v1(40416,44899) 40408,44899 40408,44975.57 40423.72,44991.28 40423.72,44991.72 40424,44992 40424,49306 v1(40416,49306) ; v1@40408,49306 40408,49387.63 40424,49403.63 40424,52379 v1(40416,52379) 40408,52379 40408,52455.57 40423.72,52471.28 40423.72,52471.72 40424,52472 40424,56786 v1(40416,56786) ; v1@40408,56786 40408,56867.63 40424,56883.63 40424,57097 40416,57105 v1@40415,57105 ; v1(40416,43401) 40424,43401 40424,40490 40409,40475 40409,40445 v1(40400,40436) 40395,40431 40395,40391 40431.67,40354.33 R101_E.2@40431.67,40330.48 ; v1@40416,57107 40420.16,57111.16 40408,57123.31 40408,57180.57 40424,57196.57 40424,60303.96 40408,60319.96 40408,60343 v1(40400,60351) 40395,60356 40395,60396 40431.67,60432.67 R101_A.2@40431.67,60456.52 ; R101_E.2@40425.67,40321.15 R101_E.2@40431.67,40315.15 ; R101_A.2@40425.67,60465.85 R101_A.2@40431.67,60471.85 ; v1(42848,43708) 42853,43713 42893,43713 42929.67,43676.33 R101_F.2@42953.52,43676.33 ; v1(42848,49613) 42853,49618 42893,49618 42929.67,49581.33 R101_G.2@42953.52,49581.33 ; v1(42848,57093) 42853,57098 42893,57098 42929.67,57061.33 R101_H.2@42953.52,57061.33 ; R101_F.2@42962.85,43682.33 R101_F.2@42968.85,43676.33 ; R101_G.2@42962.85,49587.33 R101_G.2@42968.85,49581.33 ; R101_H.2@42962.85,57067.33 R101_H.2@42968.85,57061.33
  Bottom Layer w8: v1(40223,44875) 40245,44897 40269.2,44897 40291.2,44919 40337.43,44919 40351.43,44933 40384.57,44933 40414,44903.57 v1@40414,44901 ; v1(40223,52355) 40245,52377 40269.2,52377 40291.2,52399 40337.43,52399 40351.43,52413 40384.57,52413 40414,52383.57 v1@40414,52381 ; v1(40223,57080) 40245,57102 40269.2,57102 40291.2,57124 40337.43,57124 40351.43,57138 40384.57,57138 40414,57108.57 v1@40414,57106 ; v1@40414,43401 40408,43407 40408,43481.86 40432.14,43506 40443.14,43506 40633.14,43696 42806,43696 42809,43699 42839,43699 v1(42848,43708) ; v1@40414,49306 40408,49312 40408,49386.86 40432.14,49411 40443.14,49411 40633.14,49601 42806,49601 42809,49604 42839,49604 v1(42848,49613) ; v1@40414,56786 40408,56792 40408,56866.86 40432.14,56891 40443.14,56891 40633.14,57081 42806,57081 42809,57084 42839,57084 v1(42848,57093)
  other v1: 40416,57104
ADCS_MOSI: R103_A.1 R103_B.1 R103_C.1 R103_D.1 R103_E.1 R103_F.1 R103_G.1 R103_H.1 | length 29969.9
  Top Layer w8: R103_D.1@40117.48,44781.67 40161.33,44781.67 40178,44765 40213,44765 v1(40223,44775) ; R103_C.1@40117.48,52261.67 40161.33,52261.67 40178,52245 40213,52245 v1(40223,52255) ; R103_B.1@40117.48,56986.67 40161.33,56986.67 40178,56970 40213,56970 v1(40223,56980) ; R103_E.1@40306.67,40330.48 40306.67,40374.33 40290,40391 40290,40426 v1(40300,40436) 40313,40449 40313,40473.25 40360,40520.25 40360,43281 v1(40352,43281) ; R103_A.1@40306.67,60456.52 40306.67,60412.67 40290,60396 40290,60361 v1(40300,60351) 40313,60338 40313,60313.75 40360,60266.75 40360,57223.08 40344,57207.08 40344,57130.57 40328,57114.57 40328,57057.31 v1@40340.16,57045.16 ; v1@40328,44833 40328,44909.57 40344,44925.57 40344,45005 40360,45021 40360,49186 v1(40352,49186) ; v1@40328,52313 40328,52389.57 40344,52405.57 40344,52485 40360,52501 40360,56666 v1(40352,56666) ; v1(40336,44833) 40360,44809 40360,43525.14 40344,43509.14 v1@40344,43281 ; v1(40336,52313) 40360,52289 40360,49430.14 40344,49414.14 v1@40344,49186 ; v1(40336,57038) 40360,57014 40360,56910.14 40344,56894.14 v1@40344,56666 ; v1(42848,43808) 42858,43818 42893,43818 42909.67,43801.33 R103_F.1@42953.52,43801.33 ; v1(42848,49713) 42858,49723 42893,49723 42909.67,49706.33 R103_G.1@42953.52,49706.33 ; v1(42848,57193) 42858,57203 42893,57203 42909.67,57186.33 R103_H.1@42953.52,57186.33
  Bottom Layer w8: v1(40223,44775) 40236,44788 40260.2,44788 40304.2,44832 v1@40336,44832 ; v1(40223,52255) 40236,52268 40260.2,52268 40304.2,52312 v1@40336,52312 ; v1(40223,56980) 40236,56993 40260.2,56993 40304.2,57037 v1@40336,57037 ; v1@40344,43286 40344,43508.37 40405.63,43570 40416.63,43570 40617.63,43771 40628.57,43771 40646.57,43789 42799,43789 42809,43799 42839,43799 v1(42848,43808) ; v1@40344,49191 40344,49413.37 40405.63,49475 40416.63,49475 40617.63,49676 40628.57,49676 40645.57,49693 42798,49693 42809,49704 42839,49704 v1(42848,49713) ; v1@40344,56671 40344,56893.37 40405.63,56955 40416.63,56955 40617.63,57156 40628.57,57156 40645.57,57173 42798,57173 42809,57184 42839,57184 v1(42848,57193)
ADCS_PDI_CLK: R20_A.2 R20_B.2 R20_C.2 R20_D.2 R20_E.2 R20_F.2 R20_G.2 R20_H.2 | length 28770
  Top Layer w8: R20_D.2@40117.15,46407 R20_D.2@40117.48,46407 40146,46407 40163,46390 v1@40193,46390 ; R20_C.2@40117.15,53887 R20_C.2@40117.48,53887 40146,53887 40163,53870 v1@40193,53870 ; R20_B.2@40117.15,58612 R20_B.2@40117.48,58612 40146,58612 40163,58595 v1@40193,58595 ; R20_E.2@41932,40330.15 R20_E.2@41932,40330.48 41932,40359 41915,40376 41915,40406 v1(41920,40411) 41929,40420 41929,40465.41 41936,40472.41 41936,60314.59 41929,60321.59 41929,60367 v1(41920,60376) 41915,60381 41915,60411 41932,60428 R20_A.2@41932,60456.52 R20_A.2@41932,60456.85 ; v1@42878,42193 42908,42193 42925,42176 R20_F.2@42953.52,42176 R20_F.2@42953.85,42176 ; v1@42878,48098 42908,48098 42925,48081 R20_G.2@42953.52,48081 R20_G.2@42953.85,48081 ; v1@42878,55578 42908,55578 42925,55561 R20_H.2@42953.52,55561 R20_H.2@42953.85,55561
  Bottom Layer w8: v1(40198,46395) 40207,46404 40252.41,46404 40259.41,46411 41902,46411 v1(41928,46385) ; v1(40198,53875) 40207,53884 40252.41,53884 40259.41,53891 41902,53891 v1(41928,53865) ; v1(40198,58600) 40207,58609 40252.41,58609 40259.41,58616 41902,58616 v1(41928,58590) ; v1(41928,42158) 41942,42172 42811.59,42172 42818.59,42179 42864,42179 v1(42873,42188) ; v1(41928,48063) 41942,48077 42811.59,48077 42818.59,48084 42864,48084 v1(42873,48093) ; v1(41928,55543) 41942,55557 42811.59,55557 42818.59,55564 42864,55564 v1(42873,55573)
ADCS_PDI_DATA: R22_A.2 R22_B.2 R22_C.2 R22_D.2 R22_E.2 R22_F.2 R22_G.2 R22_H.2 | length 28812.4
  Top Layer w8: R22_D.2@40117.15,46307 R22_D.2@40117.48,46307 40146,46307 40163,46290 40193,46290 v1(40198,46295) ; R22_C.2@40117.15,53787 R22_C.2@40117.48,53787 40146,53787 40163,53770 40193,53770 v1(40198,53775) ; R22_B.2@40117.15,58512 R22_B.2@40117.48,58512 40146,58512 40163,58495 40193,58495 v1(40198,58500) ; R22_E.2@41832,40330.15 R22_E.2@41832,40330.48 41832,40359 41815,40376 41815,40406 v1(41820,40411) 41829,40420 41829,40465.41 41836,40472.41 41836,60314.59 41829,60321.59 41829,60367 v1(41820,60376) 41815,60381 41815,60411 41832,60428 R22_A.2@41832,60456.52 R22_A.2@41832,60456.85 ; v1(42873,42288) 42878,42293 42908,42293 42925,42276 R22_F.2@42953.52,42276 R22_F.2@42953.85,42276 ; v1(42873,48193) 42878,48198 42908,48198 42925,48181 R22_G.2@42953.52,48181 R22_G.2@42953.85,48181 ; v1(42873,55673) 42878,55678 42908,55678 42925,55661 R22_H.2@42953.52,55661 R22_H.2@42953.85,55661
  Bottom Layer w8: v1(40198,46295) 40207,46304 40252.41,46304 40259.41,46311 41802,46311 v1(41828,46285) ; v1(40198,53775) 40207,53784 40252.41,53784 40259.41,53791 41802,53791 v1(41828,53765) ; v1(40198,58500) 40207,58509 40252.41,58509 40259.41,58516 41802,58516 v1(41828,58490) ; v1(41828,42258) 41842,42272 42811.59,42272 42818.59,42279 42864,42279 v1(42873,42288) ; v1(41828,48163) 41842,48177 42811.59,48177 42818.59,48184 42864,48184 v1(42873,48193) ; v1(41828,55643) 41842,55657 42811.59,55657 42818.59,55664 42864,55664 v1(42873,55673)
ADCS_SCLK: R104_A.2 R104_B.2 R104_C.2 R104_D.2 R104_E.2 R104_F.2 R104_G.2 R104_H.2 | length 30312
  Top Layer w8: R104_D.2@40102.15,44726.67 R104_D.2@40117.48,44726.67 40219.67,44726.67 v1(40248,44755) ; R104_C.2@40102.15,52206.67 R104_C.2@40117.48,52206.67 40219.67,52206.67 v1(40248,52235) ; R104_B.2@40102.15,56931.67 R104_B.2@40117.48,56931.67 40219.67,56931.67 v1(40248,56960) ; R104_E.2@40251.67,40315.15 R104_E.2@40251.67,40330.48 40251.67,40432.67 v1(40280,40461) 40280,40509 40328,40557 40328,43221 v1(40320,43221) 40312,43221 40312,43522.39 40328,43538.39 40328,44761.06 40312,44777.06 40312,44784 v1(40302,44794) 40296,44800 40296,44922.82 40312,44938.82 40312,45018.25 40328,45034.25 40328,49126 v1(40320,49126) 40312,49126 40312,49427.39 40328,49443.39 40328,52248 v1(40302,52274) 40296,52280 40296,52402.82 40312,52418.82 40312,52498.25 40328,52514.25 40328,56606 v1(40320,56606) 40312,56606 40312,56989 v1(40302,56999) 40296,57005 40296,57127.82 40312,57143.82 40312,57220.33 40328,57236.33 40328,60230.06 40280,60278.06 v1(40280,60326) 40251.67,60354.33 R104_A.2@40251.67,60456.52 R104_A.2@40251.67,60471.85 ; v1(42823,43828) 42851.33,43856.33 R104_F.2@42953.52,43856.33 ; v1(42823,49733) 42851.33,49761.33 R104_G.2@42953.52,49761.33 ; v1(42823,57213) 42851.33,57241.33 R104_H.2@42953.52,57241.33
  Bottom Layer w8: v1(40248,44755) 40263,44755 v1(40302,44794) ; v1(40248,52235) 40263,52235 v1(40302,52274) ; v1(40248,56960) 40263,56960 v1(40302,56999) ; v1(40320,43221) 40320,43233.06 40312,43241.06 40312,43521.63 40392.37,43602 40403.37,43602 40604.37,43803 40615.31,43803 40649.31,43837 42798.94,43837 42807.94,43828 v1(42823,43828) ; v1(40320,49126) 40320,49138.06 40312,49146.06 40312,49426.63 40392.37,49507 40403.37,49507 40604.37,49708 40615.31,49708 40649.31,49742 42798.94,49742 42807.94,49733 v1(42823,49733) ; v1(40320,56606) 40320,56618.06 40312,56626.06 40312,56906.63 40392.37,56987 40403.37,56987 40604.37,57188 40615.31,57188 40649.31,57222 42798.94,57222 42807.94,57213 v1(42823,57213)
ADCS_SS1: R11_A.1 R11_B.1 R11_C.1 R11_D.1 R11_E.1 R11_F.1 R11_G.1 R11_H.1 | length 30114
  Top Layer w8: R11_D.1@39965.48,46832 39965.48,46839.67 40148.33,46839.67 v1(40173,46815) ; R11_C.1@39965.48,54312 39965.48,54319.67 40148.33,54319.67 v1(40173,54295) ; R11_B.1@39965.48,59037 39965.48,59044.67 40148.33,59044.67 v1(40173,59020) ; R11_E.1@42357,40178.48 42364.67,40178.48 42364.67,40361.33 v1(42340,40386) 42340,40395 42345,40400 42345,40458.78 42352,40465.78 42352,60321.22 42345,60328.22 42345,60387 42340,60392 v1(42340,60401) 42364.67,60425.67 42364.67,60608.52 R11_A.1@42357,60608.52 ; v1(42898,41768) 42922.67,41743.33 43105.52,41743.33 R11_F.1@43105.52,41751 ; v1(42898,47673) 42922.67,47648.33 43105.52,47648.33 R11_G.1@43105.52,47656 ; v1(42898,55153) 42922.67,55128.33 43105.52,55128.33 R11_H.1@43105.52,55136
  Bottom Layer w8: v1(40173,46815) 40182,46815 40187,46820 40245.78,46820 40252.78,46827 42320.94,46827 42361,46786.94 v1@42361,46785 ; v1(40173,54295) 40182,54295 40187,54300 40245.78,54300 40252.78,54307 42320.94,54307 42361,54266.94 v1@42361,54265 ; v1(40173,59020) 40182,59020 40187,59025 40245.78,59025 40252.78,59032 42320.94,59032 42361,58991.94 v1@42361,58990 ; v1(42360,41738) 42378,41756 42818.22,41756 42825.22,41763 42884,41763 42889,41768 v1(42898,41768) ; v1(42360,47643) 42378,47661 42818.22,47661 42825.22,47668 42884,47668 42889,47673 v1(42898,47673) ; v1(42360,55123) 42378,55141 42818.22,55141 42825.22,55148 42884,55148 42889,55153 v1(42898,55153)
  other v1: 42360,46785 42360,54265 42360,58990
BAT_POS_1: H1_A.85 H1_B.85 H1_C.85 H1_D.85 H1_E.85 H1_F.85 H1_G.85 H1_H.85 | length 32695.3
  Top Layer w8: 41212,42828 41204,42836 41204,42880 v1(41212,42888) ; v1(41212,45655) 41204,45663 41204,45707 41212,45715 ; 41212,48733 41204,48741 41204,48785 v1(41212,48793) ; v1(41212,53135) 41204,53143 41204,53187 41212,53195 ; 41212,56213 41204,56221 41204,56265 v1(41212,56273) ; v1(41212,57860) 41204.01,57867.99 41204.01,57876.96 41204,57914 41210,57920 41212,57920
  Top Layer w16: v1(41200,40436) 41209,40445 41209,40475 41212,40478 41212,40483 ; v1(41200,60351) 41209,60342 41209,60312 41212,60309 41212,60304
  Top Layer w24: 41212,40483 41212,42828 ; v1(41212,42888) v1(41212,45655) ; 41212,45715 41212,48733 ; v1(41212,48793) v1(41212,53135) ; 41212,53195 41212,56213 ; v1(41212,56273) v1(41212,57860) ; 41212,57920 41212,60304
  Bottom Layer w8: H1_D.85@39698,45712 39735,45712 39777.53,45754.53 39823.47,45754.53 39833,45745 39848,45745 ; H1_C.85@39698,53192 39735,53192 39777.53,53234.53 39823.47,53234.53 39833,53225 39848,53225 ; H1_B.85@39698,57917 39735,57917 39776.53,57958.53 39824.47,57958.53 39833,57950 39848,57950 ; H1_E.85@41237,39812 41278.53,39853.53 41278.53,40052.47 41270,40061 ; H1_A.85@41237,60876 41237,60839 41278.53,60797.47 41278.53,60749.53 41270,60741 41270,60726 ; 43223,42838 43238,42838 43247.53,42828.47 43293.47,42828.47 43336,42871 H1_F.85@43373,42871 ; 43223,48743 43238,48743 43247.53,48733.47 43293.47,48733.47 43336,48776 H1_G.85@43373,48776 ; 43223,56223 43238,56223 43247.53,56213.47 43293.47,56213.47 43336,56256 H1_H.85@43373,56256
  Bottom Layer w16: v1(40223,45675) 40232,45684 40262,45684 ; v1(40223,53155) 40232,53164 40262,53164 ; v1(40223,57880) 40232,57889 40262,57889 ; 40265,45687 40270,45687 ; 40265,53167 40270,53167 ; 40265,57892 40270,57892 ; 42801,42896 42806,42896 ; 42801,48801 42806,48801 ; 42801,56281 42806,56281 ; 42809,42899 42839,42899 v1(42848,42908) ; 42809,48804 42839,48804 v1(42848,48813) ; 42809,56284 42839,56284 v1(42848,56293)
  Bottom Layer w22: 40208,45660 v1(40223,45675) ; 40208,53140 v1(40223,53155) ; 40208,57865 v1(40223,57880) ; 41185,40421 v1(41200,40436) ; 41185,60366 v1(41200,60351) ; v1(42848,42908) 42863,42923 ; v1(42848,48813) 42863,48828 ; v1(42848,56293) 42863,56308
  Bottom Layer w24: 39848,45745 40068,45745 40153,45660 40208,45660 ; 39848,53225 40068,53225 40153,53140 40208,53140 ; 39848,57950 40068,57950 40153,57865 40208,57865 ; 40270,45687 41180,45687 v1(41212,45655) ; 40270,53167 41180,53167 v1(41212,53135) ; 40270,57892 41180,57892 v1(41212,57860) ; 41185,40421 41185,40366 41270,40281 41270,40061 ; 41185,60366 41185,60421 41270,60506 41270,60726 ; v1(41212,42888) 41220,42896 42801,42896 ; v1(41212,48793) 41220,48801 42801,48801 ; v1(41212,56273) 41220,56281 42801,56281 ; 42863,42923 42918,42923 43003,42838 43223,42838 ; 42863,48828 42918,48828 43003,48743 43223,48743 ; 42863,56308 42918,56308 43003,56223 43223,56223
BAT_POS_2: H1_A.86 H1_B.86 H1_C.86 H1_D.86 H1_E.86 H1_F.86 H1_G.86 H1_H.86 | length 31822.6
  Top Layer w8: 41180,57780 41188,57788 41188,57831.99 v1(41180,57840) ; 41212,40069 41195.47,40052.47 41195.47,39753.53 H1_E.86@41237,39712
  Top Layer w12: v1(41180,42908) 41186,42914 41186,42961 41180,42967 ; 41180,45575 41186,45581 41186,45629 v1(41180,45635) ; v1(41180,48813) 41186,48819 41186,48866 41180,48872 ; 41180,53055 41186,53061 41186,53109 v1(41180,53115) ; v1(41180,56293) 41186,56299 41186,56346 41180,56352
  Top Layer w22: 40177,45666 40200,45643 40236.25,45643 v1@40248.13,45654.87 ; 40177,53146 40200,53123 40236.25,53123 v1@40248.13,53134.87 ; 40177,57871 40200,57848 40236.25,57848 ; v1@41179.87,40461.13 41168,40449.25 41168,40413 41191,40390 ; v1@41179.87,60325.87 41168,60337.75 41168,60374 41191,60397 ; v1@42822.87,42928.13 42834.75,42940 42871,42940 42894,42917 ; v1@42822.87,48833.13 42834.75,48845 42871,48845 42894,48822 ; v1@42822.87,56313.13 42834.75,56325 42871,56325 42894,56302
  Top Layer w24: H1_D.86@39798,45712 39823,45687 39972,45687 39984,45675 40012.6,45675 40021.6,45666 40177,45666 ; H1_C.86@39798,53192 39823,53167 39972,53167 39984,53155 40012.6,53155 40021.6,53146 40177,53146 ; H1_B.86@39798,57917 39823,57892 39972,57892 39984,57880 40012.6,57880 40021.6,57871 40177,57871 ; v1(41180,40461) v1(41180,42908) ; 41180,42967 41180,45575 ; v1@41180,45645.54 v1(41180,48813) ; 41180,48873 41180,53055 ; v1(41180,53115) v1(41180,56293) ; 41180,56354 41180,57780 ; v1(41180,57840) 41180,57860 v1(41180,60326) ; 41191,40390 41191,40234.6 41200,40225.6 41200,40197 41212,40185 41212,40069 ; 41191,60397 41191,60552.4 41200,60561.4 41200,60590 41212,60602 41212,60751 H1_A.86@41237,60776 ; 42894,42917 43049.4,42917 43058.4,42908 43087,42908 43099,42896 43248,42896 H1_F.86@43273,42871 ; 42894,48822 43049.4,48822 43058.4,48813 43087,48813 43099,48801 43248,48801 H1_G.86@43273,48776 ; 42894,56302 43049.4,56302 43058.4,56293 43087,56293 43099,56281 43248,56281 H1_H.86@43273,56256
  Bottom Layer w24: v1(40248,45655) 41160,45655 v1(41180,45635) ; v1(40248,53135) 41160,53135 v1(41180,53115) ; v1(40248,57860) 41160,57860 v1(41180,57840) ; v1(41180,42908) 41186.75,42908 41206.75,42928 v1(42823,42928) ; v1(41180,48813) 41186.75,48813 41206.75,48833 v1(42823,48833) ; v1(41180,56293) 41186.75,56293 41206.75,56313 v1(42823,56313)